# Allegro board SDHCalFEB20180110.brd (continued)
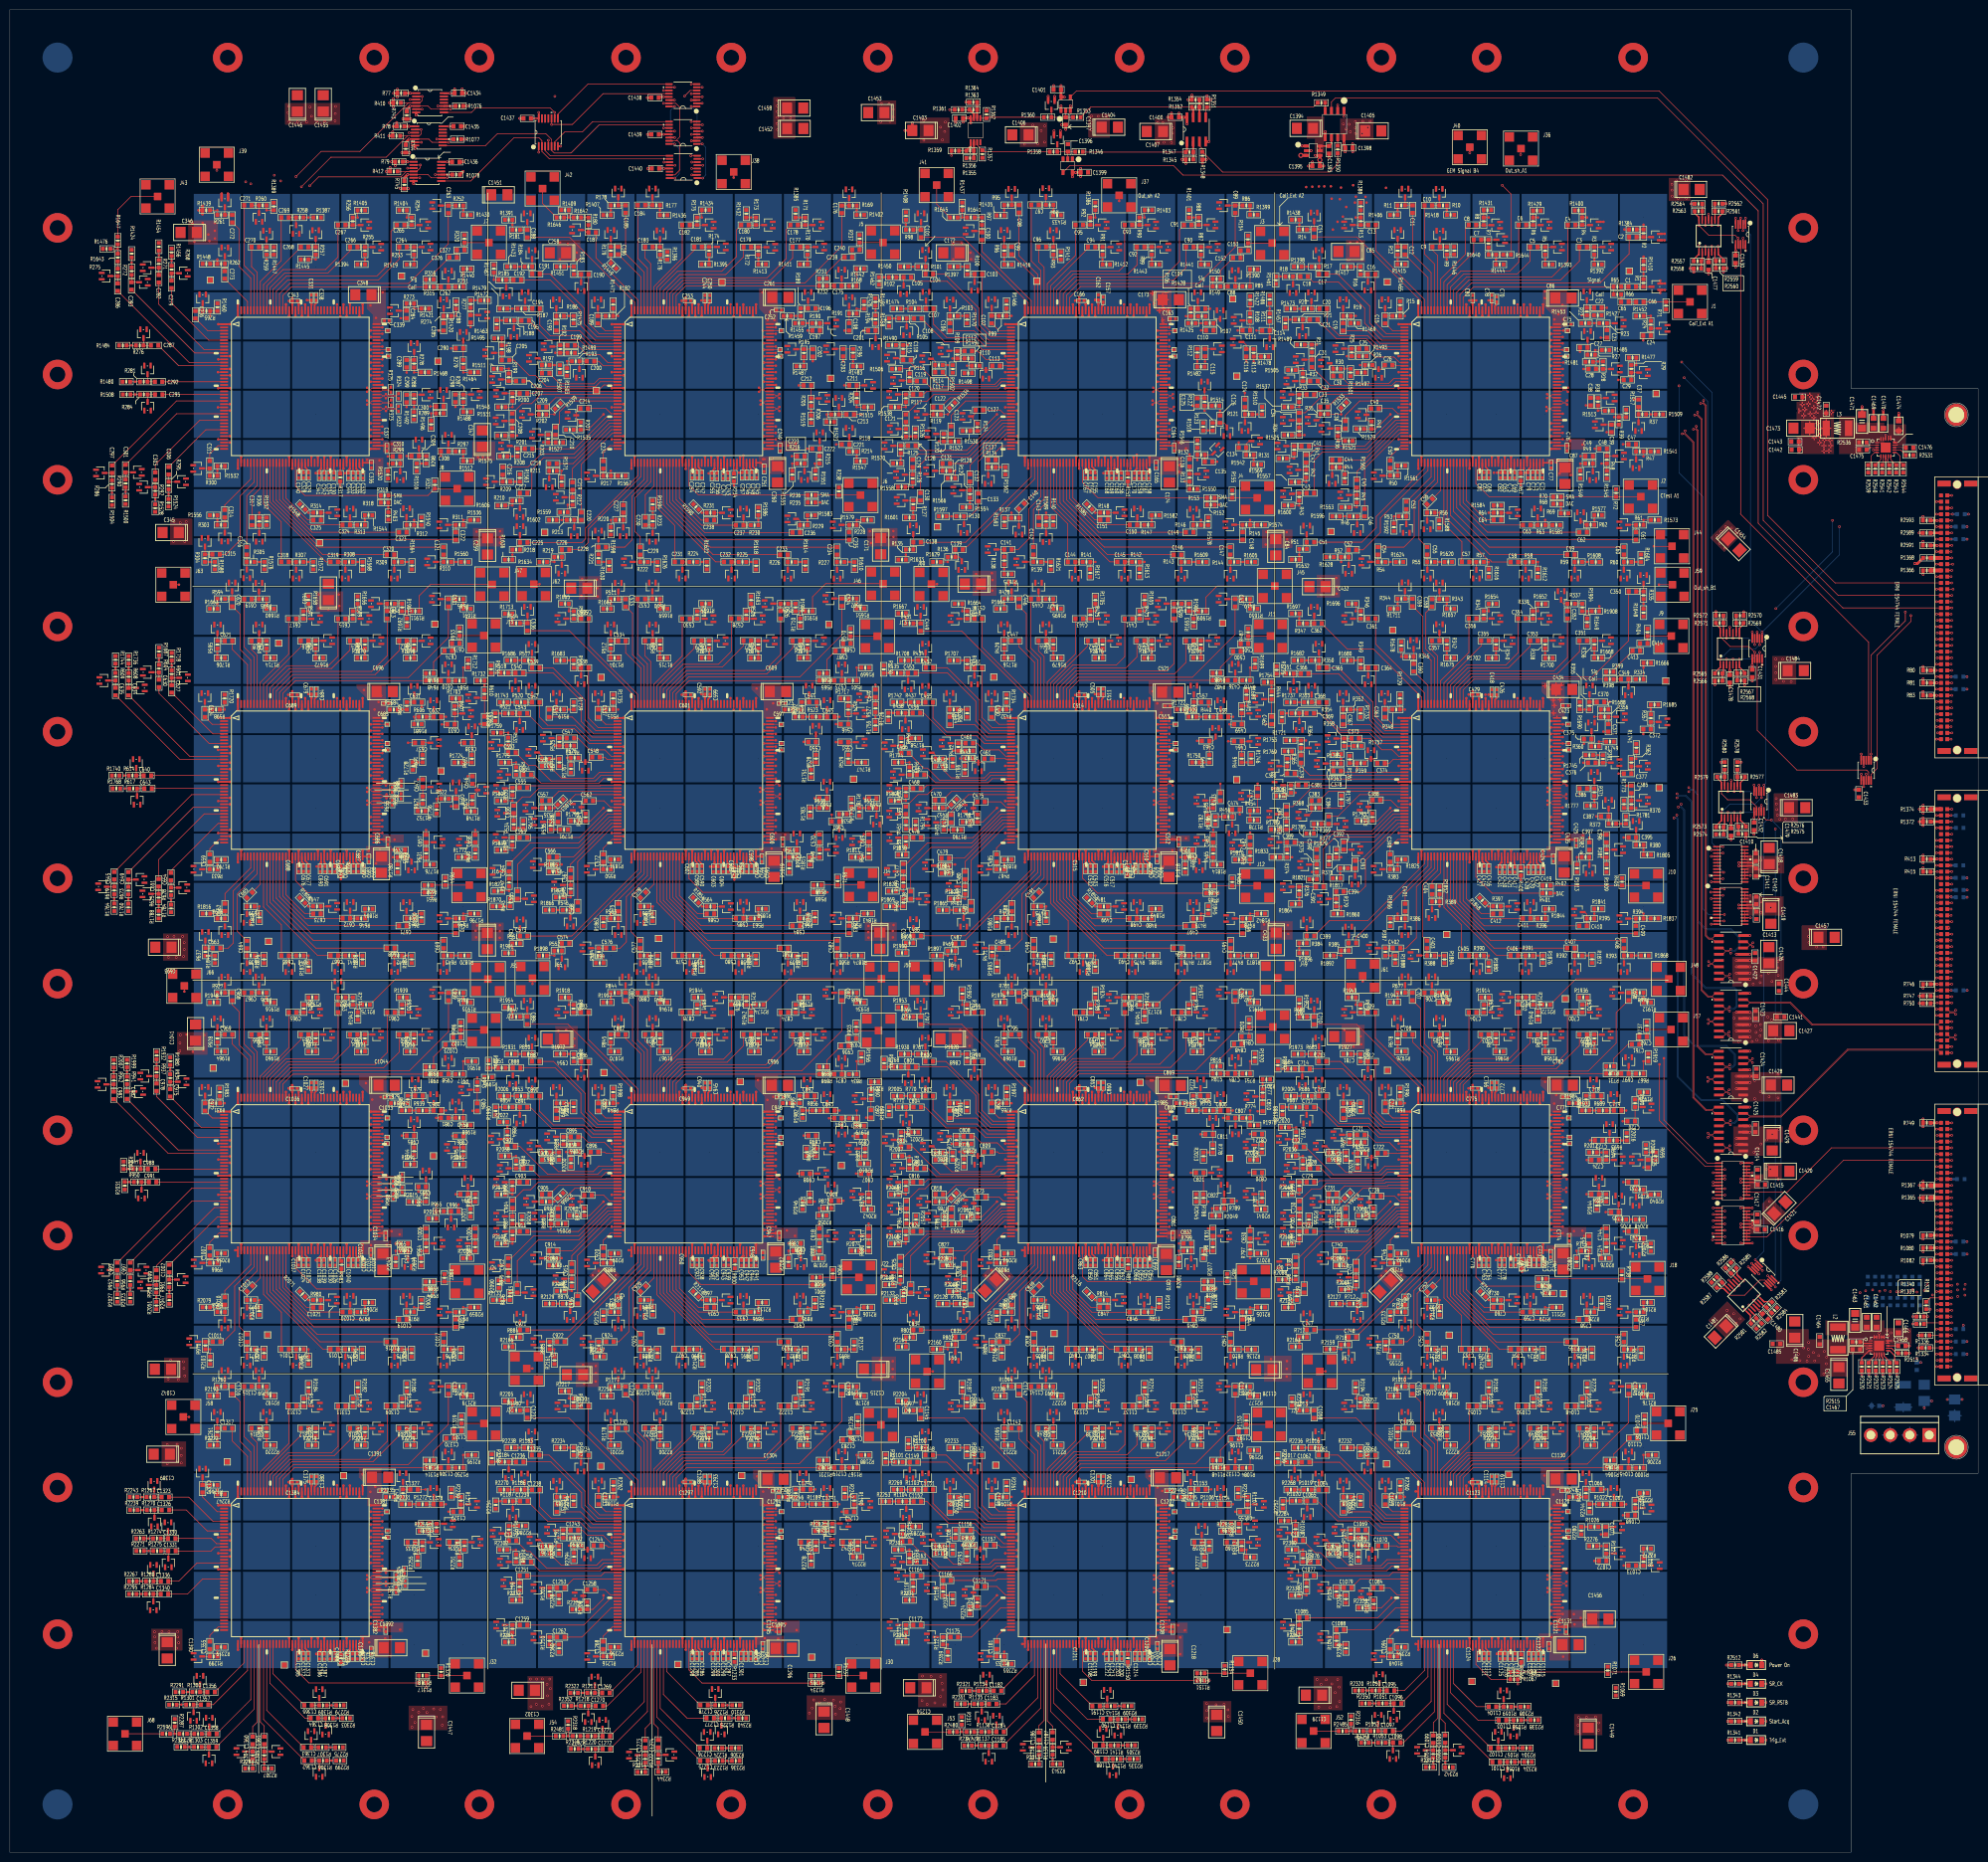
[diagram p0: board, top side]
## Routing (per net, layer and track width the routed paths; a pad name or vN(x,y) marks a point on that pad's centre or on a via; arc(x,y) is an arc through that point) (continued)
DOUT2B_D: length 362.1
  TOP w0.127: J33.A19 v4(394.75,121.54) ; U845.105 v1(313.41,60.74) ; U975.105 v1(155.75,60.74) ; U910.105 v1(235.76,60.74) ; U1040.105 v1(75.74,60.74)
  GND1 w0.127: v1(235.76,60.74) v2(236.5,60.74) ; v1(155.75,60.74) v2(156.49,60.74) ; v1(75.74,60.74) v2(76.48,60.74) ; v1(313.41,60.74) v2(314.15,60.74)
  SIG1 w0.127: v4(394.75,121.54) 394.17,120.95 378.61,120.95 354.56,96.9 354.56,86.67 328.63,60.74 v2(314.15,60.74)
  SIG2 w0.127: v2(314.15,60.74) 312.85,59.44 239.65,59.44 238.35,60.74 v2(236.5,60.74) 233.66,60.74 232.36,59.44 159.92,59.44 158.62,60.74 v2(156.49,60.74) 153.4,60.74 152.1,59.44 79.27,59.44 77.97,60.74 v2(76.48,60.74)
  BOTTOM w0.508: R1083.2 394.75,121.54 v4(394.75,121.54)
DOUT2B_E: length 2.4
  TOP w0.127: J33.B4 390.35,102.49 R1334.1
ENDREADOUT1_A: length 384.8
  TOP w0.127: J35.B20 v4(391.92,250.32) ; TP46.1 76.95,305.32 U260.112 v1(73.38,305.32)
  GND1 w0.127: v1(73.38,305.32) v2(74.12,305.32)
  SIG2 w0.127: v4(391.92,250.32) 386.38,250.32 355.35,281.36 355.35,300.38 331.7,324.03 78.28,324.03 70.36,316.1 70.36,307.61 72.64,305.32 v2(74.12,305.32)
ENDREADOUT1_B: length 350.9
  TOP w0.127: v4(394.75,231.27) J35.A5 ; v1(73.38,225.31) U520.112 76.78,225.31 TP79.1
  GND1 w0.127: v1(73.38,225.31) v2(72.64,225.31)
  SIG2 w0.127: v4(394.75,231.27) 394.14,231.88 368.55,231.88 364.82,235.61 328.07,235.61 318.77,244.91 79.35,244.91 70.28,235.84 70.28,226.69 71.67,225.31 v2(72.64,225.31)
ENDREADOUT1_C: length 361
  TOP w0.127: v4(391.92,186.57) J34.B20 ; TP125.1 76.73,145.3 U780.112 v1(73.38,145.3)
  GND1 w0.127: v1(73.38,145.3) v2(72.65,145.3)
  SIG2 w0.127: v2(72.65,145.3) 71.57,145.3 69.75,147.12 69.75,157.02 82.37,169.65 318.52,169.65 328.42,159.74 v2(337.82,159.74)
  SIG3 w0.127: v2(337.82,159.74) 347.37,159.74 351.28,163.65 369.01,163.65 v4(391.92,186.57)
ENDREADOUT1_D: length 373.6
  TOP w0.127: v1(73.38,65.29) U1040.112 76.86,65.29 TP169.1 ; J33.A33 v4(394.75,139.32)
  GND1 w0.127: v1(73.38,65.29) v2(72.65,65.29)
  SIG1 w0.127: v4(394.75,139.32) 394.12,138.68 383.7,138.68 355.55,110.53 355.54,110.53 355.27,110.26 355.27,110.25 337.37,92.35 v2(327.61,92.35)
  SIG2 w0.127: v2(327.61,92.35) 316.88,81.63 272.7,81.63 272.36,81.96 263.51,81.96 263.17,81.63 262.7,81.63 262.29,82.04 193.59,82.04 193.17,81.63 192.7,81.63 192.37,81.96 183.51,81.96 183.17,81.63 182.7,81.63 182.29,82.04 113.59,82.04 113.17,81.63 112.7,81.63 112.37,81.96 103.51,81.96 103.17,81.63 102.7,81.63 102.29,82.04 73.36,82.04 68.48,77.17 68.48,67.56 70.75,65.29 v2(72.65,65.29)
ENDREADOUT1_E: length 13.9
  TOP w0.127: R1339.1 v4(386.94,107.34) ; v4(394.75,116.46) J33.A15
  SIG2 w0.127: v4(386.94,107.34) 386.94,108 392.26,113.32 392.26,113.97 v4(394.75,116.46)
ENDREADOUT2_A: length 379.4
  TOP w0.127: U260.113 v1(75.74,305.97) ; J35.A19 v4(394.75,249.05)
  GND1 w0.127: v1(75.74,305.97) v2(75.01,305.97)
  SIG2 w0.127: v2(75.01,305.97) 73.3,305.97 71.45,307.82 71.45,315.09 77,320.64 178.72,320.64 178.9,320.45 258.53,320.45 258.87,320.79 330.75,320.79 354.28,297.26 354.28,280.82 385.44,249.66 394.14,249.66 v4(394.75,249.05)
ENDREADOUT2_B: length 344.6
  TOP w0.127: U520.113 v1(75.74,225.96) ; J35.B4 v4(391.92,230)
  GND1 w0.127: v1(75.74,225.96) v2(74.55,225.96)
  SIG2 w0.127: v2(74.55,225.96) 72.19,225.96 70.99,227.15 70.99,233.68 81.1,243.79 317.83,243.79 327.38,234.24 365.12,234.24 369.36,230 v4(391.92,230)
ENDREADOUT2_C: length 362.5
  TOP w0.127: U780.113 v1(75.74,145.95) ; v4(394.75,185.3) J34.A19
  GND1 w0.127: v1(75.74,145.95) v2(76.48,145.95)
  SIG2 w0.127: v2(76.48,145.95) 72.26,145.95 70.61,147.6 70.61,156.59 82.75,168.73 317.47,168.73 327.38,158.83 v2(336.88,158.83)
  SIG3 w0.127: v2(336.88,158.83) 347.73,158.83 350.93,162.03 368.63,162.03 391.31,184.71 394.17,184.71 v4(394.75,185.3)
ENDREADOUT2_D: length 367.2
  TOP w0.127: U1040.113 v1(75.74,65.94) ; v4(391.92,138.05) J33.B32
  GND1 w0.127: v1(75.74,65.94) v2(76.48,65.94)
  SIG1 w0.127: v2(326.9,90.32) 336.66,90.32 384.39,138.05 v4(391.92,138.05)
  SIG2 w0.127: v2(326.9,90.32) 317.32,80.75 73.89,80.75 69.49,76.35 69.49,67.39 70.94,65.94 v2(76.48,65.94)
ENDREADOUT2_E: length 10
  TOP w0.127: R1340.1 v4(386.94,108.84) ; J33.B14 392.7,115.19 v4(391.92,115.19)
  SIG2 w0.127: v4(391.92,115.19) 386.94,110.21 v4(386.94,108.84)
ESD_SIGNAL1_ASIC_A1: length 3.2
  TOP w0.127: U1.3 333.83,318.13 R1.2 C1.1
ESD_SIGNAL1_ASIC_A2: length 3
  TOP w0.127: U66.3 249.19,318.21 C88.1 250.66,318.2 R85.2
ESD_SIGNAL1_ASIC_A3: length 3.1
  TOP w0.127: U131.3 169.14,318.3 C175.1 169.15,318.29 R168.2
ESD_SIGNAL1_ASIC_A4: length 3
  TOP w0.127: R251.2 90.66,318.1 C262.1 89.18,318.1 U196.3
ESD_SIGNAL1_ASIC_B1: length 3.1
  TOP w0.127: R334.2 329.14,238.38 C349.1 329.13,236.86 U261.3
ESD_SIGNAL1_ASIC_B5: length 3.1
  TOP w0.127: R418.2 249.18,238.15 C436.1 249.17,239.72 U326.3
ESD_SIGNAL1_ASIC_B6: length 3
  TOP w0.127: U391.3 169.19,239.64 C523.1 169.19,238.1 R501.2
ESD_SIGNAL1_ASIC_B7: length 3.1
  TOP w0.127: R584.2 89.78,238.07 89.78,238.08 C610.1 89.18,238.71 89.18,238.72 U456.3
ESD_SIGNAL1_ASIC_C1: length 3.1
  TOP w0.127: U521.3 329.19,159.02 329.18,159.01 C697.1 329.78,158.22 329.78,158.22 R667.2
ESD_SIGNAL1_ASIC_C2: length 3.1
  TOP w0.127: U586.3 249.18,158.22 C784.1 250.66,158.22 R751.2
ESD_SIGNAL1_ASIC_C3: length 3
  TOP w0.127: U651.3 169.19,158.1 C871.1 170.68,158.09 R834.2
ESD_SIGNAL1_ASIC_C4: length 3
  TOP w0.127: U716.3 89.18,158.12 C958.1 89.18,158.12 R917.2
ESD_SIGNAL1_ASIC_D1: length 3
  TOP w0.127: U781.3 329.18,79.65 C1045.1 330.67,78.11 R1000.2
ESD_SIGNAL1_ASIC_D2: length 3
  TOP w0.127: U846.3 249.17,79.65 C1132.1 250.66,78.11 R1084.2
ESD_SIGNAL1_ASIC_D3: length 3.1
  TOP w0.127: R1167.2 169.2,78.15 C1219.1 169.19,79.68 U911.3
ESD_SIGNAL1_ASIC_D4: length 3
  TOP w0.127: R1250.2 89.78,78.13 89.78,78.13 C1306.1 89.18,78.77 89.18,78.77 U976.3
ESD_SIGNAL2_ASIC_A1: length 3
  TOP w0.127: C2.1 330.81,328.24 R2.2 333.76,328.24 U2.3
ESD_SIGNAL2_ASIC_A2: length 3
  TOP w0.127: R86.2 249.19,334.64 C89.1 247.66,334.64 U67.3
ESD_SIGNAL2_ASIC_A3: length 3.1
  TOP w0.127: U132.3 170.67,334.63 R169.2 C176.1
ESD_SIGNAL2_ASIC_A4: length 3
  TOP w0.127: R252.2 C263.1 87.66,334.62 U197.3
ESD_SIGNAL2_ASIC_B1: length 3.1
  TOP w0.127: C350.1 331.59,256.21 331.61,256.19 R335.2 332.21,257.01 332.21,257.01 U262.3
ESD_SIGNAL2_ASIC_B5: length 3.1
  TOP w0.127: R419.2 C437.1 248.51,254.66 248.51,254.66 U327.3
ESD_SIGNAL2_ASIC_B6: length 3.1
  TOP w0.127: R502.2 C524.1 167.62,254.76 U392.3
ESD_SIGNAL2_ASIC_B7: length 3.1
  TOP w0.127: R585.2 C611.1 88.38,254.66 88.38,254.66 U457.3
ESD_SIGNAL2_ASIC_C1: length 3.1
  TOP w0.127: U522.3 327.61,174.65 C698.1 R668.2
ESD_SIGNAL2_ASIC_C2: length 3.1
  TOP w0.127: U587.3 247.6,174.65 C785.1 R752.2
ESD_SIGNAL2_ASIC_C3: length 3.1
  TOP w0.127: U652.3 167.62,174.65 C872.1 R835.2
ESD_SIGNAL2_ASIC_C4: length 3
  TOP w0.127: R918.2 C959.1 87.66,174.62 U717.3
ESD_SIGNAL2_ASIC_D1: length 3
  TOP w0.127: U782.3 329.18,94.64 C1046.1 R1001.2
ESD_SIGNAL2_ASIC_D2: length 3.1
  TOP w0.127: R1085.2 250.66,94.64 C1133.1 247.63,94.64 U847.3
ESD_SIGNAL2_ASIC_D3: length 3
  TOP w0.127: R1168.2 C1220.1 167.67,94.64 U912.3
ESD_SIGNAL2_ASIC_D4: length 3
  TOP w0.127: R1251.2 C1307.1 87.63,94.64 U977.3
ESD_SIGNAL3_ASIC_A1: length 3.2
  TOP w0.127: C3.1 321.6,326.18 321.61,326.19 R3.2 323.09,326.19 323.11,326.2 U3.3
ESD_SIGNAL3_ASIC_A2: length 3.2
  TOP w0.127: U68.3 242.82,326.2 242.81,326.21 R87.2 241.61,326.21 241.6,326.2 C90.1
ESD_SIGNAL3_ASIC_A3: length 3.1
  TOP w0.127: C177.1 161.3,326.2 161.31,326.2 R170.2 162.8,326.2 162.81,326.21 U133.3
ESD_SIGNAL3_ASIC_A4: length 3.1
  TOP w0.127: C264.1 81.32,326.2 81.32,326.2 R253.2 82.79,326.2 82.8,326.21 U198.3
ESD_SIGNAL3_ASIC_B1: length 3.1
  TOP w0.127: U263.3 323.81,246.21 R336.2 320.7,246.21 C351.1
ESD_SIGNAL3_ASIC_B5: length 3.1
  TOP w0.127: U328.3 242.8,246.2 242.79,246.19 R420.2 241.29,246.19 241.29,246.18 C438.1
ESD_SIGNAL3_ASIC_B6: length 3.1
  TOP w0.127: U393.3 163.77,246.19 R503.2 161.31,246.19 161.3,246.18 C525.1
ESD_SIGNAL3_ASIC_B7: length 3.1
  TOP w0.127: C612.1 81.29,246.16 81.3,246.16 R586.2 82.79,246.16 82.8,246.17 U458.3
ESD_SIGNAL3_ASIC_C1: length 3.1
  TOP w0.127: C699.1 322.19,166.15 R669.2 323.76,166.15 U523.3
ESD_SIGNAL3_ASIC_C2: length 3.1
  TOP w0.127: U588.3 242.2,166.16 R753.2 240.7,166.15 C786.1
ESD_SIGNAL3_ASIC_C3: length 3.1
  TOP w0.127: C873.1 162.2,166.15 R836.2 162.22,166.16 U653.3
ESD_SIGNAL3_ASIC_C4: length 3.1
  TOP w0.127: U718.3 82.21,166.14 R919.2 80.7,166.15 C960.1
ESD_SIGNAL3_ASIC_D1: length 3.1
  TOP w0.127: U783.3 322.21,86.15 R1002.2 320.71,86.17 C1047.1
ESD_SIGNAL3_ASIC_D2: length 3.1
  TOP w0.127: C1134.1 240.71,86.17 R1086.2 243.73,86.17 U848.3
ESD_SIGNAL3_ASIC_D3: length 3
  TOP w0.127: C1221.1 160.71,86.17 R1169.2 163.72,86.17 U913.3
ESD_SIGNAL3_ASIC_D4: length 3
  TOP w0.127: C1308.1 80.7,86.17 R1252.2 82.21,86.15 U978.3
ESD_SIGNAL4_ASIC_A1: length 3
  TOP w0.127: U4.3 320.36,330.67 320.35,330.68 R4.2 318.96,330.68 318.95,330.67 C4.1
ESD_SIGNAL4_ASIC_A2: length 3.1
  TOP w0.127: C91.1 240.88,330.67 240.89,330.68 R88.2 242.36,330.68 242.37,330.7 U69.3
ESD_SIGNAL4_ASIC_A3: length 3
  TOP w0.127: U134.3 162.32,330.68 162.32,330.67 R171.2 160.85,330.67 160.85,330.67 C178.1
ESD_SIGNAL4_ASIC_A4: length 3.1
  TOP w0.127: U199.3 83.31,330.67 R254.2 80.24,330.67 C265.1
ESD_SIGNAL4_ASIC_B1: length 3.3
  TOP w0.127: U264.3 315.45,254.17 315.9,253.72 R337.2 316.73,252.23 C352.1
ESD_SIGNAL4_ASIC_B5: length 3
  TOP w0.127: C439.1 236.74,252.23 R421.2 235.21,253.72 U329.3
ESD_SIGNAL4_ASIC_B6: length 3
  TOP w0.127: U394.3 155.22,253.72 R504.2 156.73,252.23 C526.1
ESD_SIGNAL4_ASIC_B7: length 3
  TOP w0.127: C613.1 76.72,252.23 R587.2 75.19,253.72 U459.3
ESD_SIGNAL4_ASIC_C1: length 3.1
  TOP w0.127: U524.3 319.78,170.66 R670.2 318.27,170.68 C700.1
ESD_SIGNAL4_ASIC_C2: length 3.1
  TOP w0.127: U589.3 239.76,170.68 R754.2 238.26,170.68 C787.1
ESD_SIGNAL4_ASIC_C3: length 3.1
  TOP w0.127: U654.3 161.34,170.68 R837.2 158.28,170.68 C874.1
ESD_SIGNAL4_ASIC_C4: length 3.1
  TOP w0.127: C961.1 78.27,170.68 R920.2 81.3,170.68 U719.3
ESD_SIGNAL4_ASIC_D1: length 3.1
  TOP w0.127: U784.3 321.3,90.67 R1003.2 318.27,90.67 C1048.1
ESD_SIGNAL4_ASIC_D2: length 3.1
  TOP w0.127: C1135.1 238.26,90.67 R1087.2 241.29,90.67 U849.3
ESD_SIGNAL4_ASIC_D3: length 3.1
  TOP w0.127: C1222.1 158.28,90.67 R1170.2 161.31,90.67 U914.3
ESD_SIGNAL4_ASIC_D4: length 3
  TOP w0.127: C1309.1 78.27,90.67 R1253.2 81.27,90.67 U979.3
ESD_SIGNAL5_ASIC_A1: length 3.2
  TOP w0.127: C5.1 311.58,326.21 311.59,326.2 R5.2 312.78,326.2 312.79,326.2 U5.3
ESD_SIGNAL5_ASIC_A2: length 3.1
  TOP w0.127: C92.1 231.31,326.2 231.32,326.21 R89.2 232.8,326.21 232.81,326.22 U70.3
ESD_SIGNAL5_ASIC_A3: length 3.2
  TOP w0.127: C179.1 151.32,326.17 151.32,326.17 R172.2 152.79,326.17 152.81,326.16 U135.3
ESD_SIGNAL5_ASIC_A4: length 3.1
  TOP w0.127: U200.3 73.75,326.2 R255.2 70.69,326.2 C266.1
ESD_SIGNAL5_ASIC_B1: length 3.1
  TOP w0.127: U265.3 312.8,246.22 312.79,246.21 R338.2 311.29,246.21 311.29,246.21 C353.1
ESD_SIGNAL5_ASIC_B5: length 3.1
  TOP w0.127: U330.3 232.82,246.2 232.8,246.21 R422.2 231.31,246.21 231.31,246.21 C440.1
ESD_SIGNAL5_ASIC_B6: length 3.1
  TOP w0.127: C527.1 150.72,246.19 R505.2 153.78,246.19 153.8,246.17
ESD_SIGNAL5_ASIC_B7: length 3.1
  TOP w0.127: U460.3 72.8,246.2 72.78,246.19 R588.2 71.59,246.19 71.59,246.18 C614.1
ESD_SIGNAL5_ASIC_C1: length 3.1
  TOP w0.127: C701.1 312.19,166.15 R671.2 313.75,166.15 U525.3
ESD_SIGNAL5_ASIC_C2: length 3.1
  TOP w0.127: U590.3 232.22,166.19 R755.2 230.71,166.18 C788.1
ESD_SIGNAL5_ASIC_C3: length 3.1
  TOP w0.127: U655.3 153.73,166.18 R838.2 152.19,166.17 C875.1
ESD_SIGNAL5_ASIC_C4: length 3.1
  TOP w0.127: C962.1 70.69,166.15 R921.2 72.2,166.16 U720.3
ESD_SIGNAL5_ASIC_D1: length 3.1
  TOP w0.127: C1049.1 310.7,86.17 R1004.2 312.2,86.18 U785.3
ESD_SIGNAL5_ASIC_D2: length 3
  TOP w0.127: U850.3 232.2,86.15 R1088.2 230.71,86.16 C1136.1
ESD_SIGNAL5_ASIC_D3: length 3.1
  TOP w0.127: C1223.1 150.7,86.14 R1171.2 153.73,86.14 U915.3
ESD_SIGNAL5_ASIC_D4: length 3
  TOP w0.127: U980.3 72.22,86.13 R1254.2 70.72,86.14 C1310.1
ESD_SIGNAL6_ASIC_A1: length 3
  TOP w0.127: U6.3 310.36,330.67 310.35,330.67 R6.2 309.16,330.67 309.16,330.67 C6.1
ESD_SIGNAL6_ASIC_A2: length 3.1
  TOP w0.127: U71.3 230.31,330.67 230.29,330.68 R90.2 228.83,330.68 228.82,330.7 C93.1
ESD_SIGNAL6_ASIC_A3: length 3.2
  TOP w0.127: U136.3 152.34,330.68 152.34,330.67 R173.2 151.14,330.67 151.14,330.67 C180.1
ESD_SIGNAL6_ASIC_A4: length 3.1
  TOP w0.127: U201.3 71.32,330.67 R256.2 69.72,330.67 C267.1
ESD_SIGNAL6_ASIC_B1: length 3.1
  TOP w0.127: C354.1 308.83,250.68 308.84,250.66 R339.2 310.32,250.66 310.33,250.67 U266.3
ESD_SIGNAL6_ASIC_B5: length 3.1
  TOP w0.127: U331.3 229.75,250.67 R423.2 228.26,250.66 C441.1
ESD_SIGNAL6_ASIC_B6: length 3.1
  TOP w0.127: C528.1 149.12,250.68 149.14,250.66 R506.2 150.55,250.66 150.56,250.67 U396.3
ESD_SIGNAL6_ASIC_B7: length 3.1
  TOP w0.127: U461.3 70.35,250.67 70.35,250.66 R589.2 69.15,250.66 69.14,250.65 C615.1
ESD_SIGNAL6_ASIC_C1: length 3
  TOP w0.127: C702.1 306.75,173.73 R672.2 305.21,173.74 U526.3
ESD_SIGNAL6_ASIC_C2: length 3
  TOP w0.127: U591.3 225.2,173.71 R756.2 226.74,172.22 C789.1
ESD_SIGNAL6_ASIC_C3: length 3
  TOP w0.127: C876.1 146.73,172.22 R839.2 145.19,173.71 U656.3
ESD_SIGNAL6_ASIC_C4: length 3
  TOP w0.127: C963.1 66.74,172.22 R922.2 66.73,173.72 U721.3
ESD_SIGNAL6_ASIC_D1: length 3.1
  TOP w0.127: C1050.1 308.29,90.67 R1005.2 309.78,90.67 U786.3
ESD_SIGNAL6_ASIC_D2: length 3.1
  TOP w0.127: U851.3 231.31,90.67 R1089.2 229.76,90.68 C1137.1
ESD_SIGNAL6_ASIC_D3: length 3
  TOP w0.127: U916.3 151.28,90.67 R1172.2 149.75,90.66 C1224.1
ESD_SIGNAL6_ASIC_D4: length 3
  TOP w0.127: U981.3 69.78,90.67 R1255.2 68.29,90.67 C1311.1
ESD_SIGNAL7_ASIC_A1: length 3.1
  TOP w0.127: C7.1 300.68,327.67 R7.2 300.69,327.68 U7.3
ESD_SIGNAL7_ASIC_A2: length 3.1
  TOP w0.127: U72.3 222.8,326.2 222.79,326.21 R91.2 221.6,326.21 221.59,326.2 C94.1
ESD_SIGNAL7_ASIC_A3: length 3.1
  TOP w0.127: U137.3 142.8,326.23 142.79,326.22 R174.2 141.32,326.22 141.31,326.22 C181.1
ESD_SIGNAL7_ASIC_A4: length 3.2
  TOP w0.127: U202.3 62.18,326.79 62.2,326.77 R257.2 61.31,326.2 61.3,326.2 C268.1
ESD_SIGNAL7_ASIC_B1: length 3.1
  TOP w0.127: C355.1 301.61,246.21 301.61,246.21 R340.2 303.02,246.21 303.03,246.2 U267.3
ESD_SIGNAL7_ASIC_B5: length 3.1
  TOP w0.127: C442.1 221.3,246.18 221.3,246.19 R424.2 222.8,246.19 222.81,246.17 U332.3
ESD_SIGNAL7_ASIC_B6: length 3.1
  TOP w0.127: C529.1 140.67,246.19 R507.2 143.78,246.19 U397.3
ESD_SIGNAL7_ASIC_B7: length 3.1
  TOP w0.127: U462.3 63,246.2 62.99,246.19 R590.2 61.58,246.19 61.58,246.18 C616.1
ESD_SIGNAL7_ASIC_C1: length 3.1
  TOP w0.127: U527.3 303.75,166.18 R673.2 300.69,166.18 C703.1
ESD_SIGNAL7_ASIC_C2: length 3.1
  TOP w0.127: U592.3 223.74,166.15 R757.2 220.71,166.15 C790.1
ESD_SIGNAL7_ASIC_C3: length 3.1
  TOP w0.127: U657.3 143.73,166.15 R840.2 140.7,166.15 C877.1
ESD_SIGNAL7_ASIC_C4: length 3.1
  TOP w0.127: C964.1 60.71,166.18 R923.2 62.22,166.16 U722.3
ESD_SIGNAL7_ASIC_D1: length 3
  TOP w0.127: C1051.1 300.71,86.16 R1006.2 302.2,86.15 U787.3
ESD_SIGNAL7_ASIC_D2: length 3.1
  TOP w0.127: C1138.1 220.71,86.17 R1090.2 222.21,86.15 U852.3
ESD_SIGNAL7_ASIC_D3: length 3
  TOP w0.127: C1225.1 140.7,86.17 R1173.2 143.7,86.17 U917.3
ESD_SIGNAL7_ASIC_D4: length 3
  TOP w0.127: U982.3 63.72,86.14 R1256.2 60.71,86.14 C1312.1
ESD_SIGNAL8_ASIC_A1: length 3.1
  TOP w0.127: C8.1 299.09,330.68 299.1,330.67 R8.2 300.3,330.67 300.31,330.66 U8.3
ESD_SIGNAL8_ASIC_A2: length 3
  TOP w0.127: C95.1 219.1,330.7 219.12,330.68 R92.2 220.31,330.68 220.32,330.67 U73.3
ESD_SIGNAL8_ASIC_A3: length 3.1
  TOP w0.127: C182.1 138.85,330.67 138.85,330.67 R175.2 140.32,330.67 140.33,330.68 U138.3
ESD_SIGNAL8_ASIC_A4: length 3.1
  TOP w0.127: U203.3 58.21,331.41 58.21,331.41 R258.2 57.33,332.21 57.32,332.19 C269.1
ESD_SIGNAL8_ASIC_B1: length 3.1
  TOP w0.127: C356.1 299.11,250.7 299.12,250.69 R341.2 300.32,250.69 300.32,250.69 U268.3
ESD_SIGNAL8_ASIC_B5: length 3.1
  TOP w0.127: C443.1 219.1,250.65 219.11,250.66 R425.2 220.31,250.66 220.31,250.67 U333.3
ESD_SIGNAL8_ASIC_B6: length 3.1
  TOP w0.127: C530.1 139.14,250.65 139.15,250.66 R508.2 140.55,250.66 140.55,250.67 U398.3
ESD_SIGNAL8_ASIC_B7: length 3.1
  TOP w0.127: C617.1 59.11,250.65 59.12,250.66 R591.2 60.31,250.66 60.33,250.64 U463.3
ESD_SIGNAL8_ASIC_C1: length 3.1
  TOP w0.127: U528.3 299.75,170.68 R674.2 298.23,170.68 C704.1
ESD_SIGNAL8_ASIC_C2: length 3
  TOP w0.127: U593.3 221.31,170.68 R758.2 218.3,170.68 C791.1
ESD_SIGNAL8_ASIC_C3: length 3.1
  TOP w0.127: C878.1 138.26,170.68 R841.2 139.76,170.68 U658.3
ESD_SIGNAL8_ASIC_C4: length 3.1
  TOP w0.127: U723.3 59.77,170.68 R924.2 58.28,170.68 C965.1
ESD_SIGNAL8_ASIC_D1: length 3
  TOP w0.127: C1052.1 298.28,90.67 R1007.2 299.79,90.65 U788.3
ESD_SIGNAL8_ASIC_D2: length 3.1
  TOP w0.127: U853.3 219.77,90.67 R1091.2 218.27,90.67 C1139.1
ESD_SIGNAL8_ASIC_D3: length 3
  TOP w0.127: C1226.1 138.26,90.67 R1174.2 141.27,90.67 U918.3
ESD_SIGNAL8_ASIC_D4: length 3
  TOP w0.127: U983.3 59.79,90.65 R1257.2 58.28,90.67 C1313.1
ESD_SIGNAL9_ASIC_A1: length 3
  TOP w0.127: R9.2 291.39,326.22 291.39,326.22 C9.1 290.79,326.86 290.79,326.86 U9.3
ESD_SIGNAL9_ASIC_A2: length 3.2
  TOP w0.127: U74.3 212.2,326.79 212.21,326.78 R93.2 211.33,326.21 211.32,326.22 C96.1
ESD_SIGNAL9_ASIC_A3: length 3.1
  TOP w0.127: C183.1 131.61,326.2 131.61,326.2 R176.2 132.21,326.77 132.21,326.77 U139.3
ESD_SIGNAL9_ASIC_A4: length 3.1
  TOP w0.127: C270.1 51.6,326.2 51.6,326.2 R259.2 52.2,326.77 52.2,326.77 U204.3
ESD_SIGNAL9_ASIC_B1: length 3.1
  TOP w0.127: U269.3 290.71,246.85 290.7,246.84 C357.1 291.6,246.21 291.6,246.21 R342.2
ESD_SIGNAL9_ASIC_B5: length 3.1
  TOP w0.127: U334.3 210.7,246.85 210.69,246.84 C444.1 211.29,246.21 211.29,246.21 R426.2
ESD_SIGNAL9_ASIC_B6: length 3.1
  TOP w0.127: R509.2 131.31,246.19 131.31,246.18 C531.1 130.71,246.82 130.71,246.82 U399.3
ESD_SIGNAL9_ASIC_B7: length 3.1
  TOP w0.127: U464.3 50.7,246.79 50.7,246.79 C618.1 51.6,246.16 51.6,246.16 R592.2
ESD_SIGNAL9_ASIC_C1: length 3.1
  TOP w0.127: U529.3 290.71,166.17 ; 290.71,166.17 C705.1 ; 290.71,166.17 290.71,166.18 R675.2
ESD_SIGNAL9_ASIC_C2: length 3.1
  TOP w0.127: R759.2 212.19,166.17 C792.1 210.7,166.17 U594.3
ESD_SIGNAL9_ASIC_C3: length 3.1
  TOP w0.127: U659.3 130.71,166.17 C879.1 132.21,166.17 R842.2
ESD_SIGNAL9_ASIC_C4: length 3
  TOP w0.127: U724.3 52.2,166.15 R925.2 52.19,166.15 C966.1
ESD_SIGNAL9_ASIC_D1: length 3.1
  TOP w0.127: R1008.2 292.18,86.19 C1053.1 290.68,86.21 U789.3
ESD_SIGNAL9_ASIC_D2: length 3
  TOP w0.127: C1140.1 210.7,86.17 R1092.2 212.2,86.17 U854.3
ESD_SIGNAL9_ASIC_D3: length 3
  TOP w0.127: C1227.1 130.73,86.17 R1175.2 132.21,86.17 U919.3
ESD_SIGNAL9_ASIC_D4: length 3.1
  TOP w0.127: C1314.1 50.69,86.17 R1258.2 52.2,86.17 U984.3
ESD_SIGNAL10_ASIC_A1: length 3.1
  TOP w0.127: C10.1 290.09,334.64 290.1,334.65 R10.2 290.67,335.25 290.66,335.26 U10.3
ESD_SIGNAL10_ASIC_A2: length 3.1
  TOP w0.127: U75.3 210.68,335.35 210.69,335.34 R94.2 209.83,334.74 209.82,334.76 C97.1
ESD_SIGNAL10_ASIC_A3: length 3.1
  TOP w0.127: C184.1 130.09,334.71 130.1,334.7 R177.2 130.67,335.53 130.66,335.55 U140.3
ESD_SIGNAL10_ASIC_A4: length 3.1
  TOP w0.127: U205.3 50.67,334.07 50.66,334.07 R260.2 50.09,334.67 50.08,334.68 C271.1
ESD_SIGNAL10_ASIC_B1: length 3.1
  TOP w0.127: U270.3 290.71,255.27 290.69,255.26 R343.2 290.12,254.66 290.11,254.64 C358.1
ESD_SIGNAL10_ASIC_B5: length 3.1
  TOP w0.127: U335.3 209.17,255.3 209.17,255.3 C445.1 210.08,254.66 210.09,254.66 R427.2
ESD_SIGNAL10_ASIC_B6: length 3.1
  TOP w0.127: C532.1 129.78,254.66 129.79,254.66 R510.2 130.67,255.26 130.66,255.27 U400.3
ESD_SIGNAL10_ASIC_B7: length 3.1
  TOP w0.127: C619.1 49.77,254.64 49.78,254.65 R593.2 50.67,255.25 50.65,255.27 U465.3
ESD_SIGNAL10_ASIC_C1: length 3.1
  TOP w0.127: R676.2 290.66,174.65 C706.1 289.18,174.66 U530.3
ESD_SIGNAL10_ASIC_C2: length 3
  TOP w0.127: U595.3 210.7,174.66 R760.2 209.2,174.65 C793.1
ESD_SIGNAL10_ASIC_C3: length 3
  TOP w0.127: U660.3 130.66,174.66 R843.2 129.19,174.65 C880.1
ESD_SIGNAL10_ASIC_C4: length 3
  TOP w0.127: C967.1 49.18,174.65 R926.2 50.65,174.66 U725.3
ESD_SIGNAL10_ASIC_D1: length 3
  TOP w0.127: C1054.1 289.19,94.63 R1009.2 290.68,94.64 U790.3
ESD_SIGNAL10_ASIC_D2: length 3
  TOP w0.127: U855.3 210.7,94.65 R1093.2 209.2,94.64 C1141.1
ESD_SIGNAL10_ASIC_D3: length 3
  TOP w0.127: C1228.1 129.19,94.64 R1176.2 130.66,94.65 U920.3
ESD_SIGNAL10_ASIC_D4: length 3
  TOP w0.127: U985.3 50.68,94.65 R1259.2 49.18,94.64 C1315.1
ESD_SIGNAL11_ASIC_A1: length 3.2
  TOP w0.127: U11.3 283.73,335.27 283.72,335.26 R11.2 284.61,334.67 284.62,334.67 C11.1
ESD_SIGNAL11_ASIC_A2: length 3
  TOP w0.127: C98.1 204.31,334.72 204.3,334.73 R95.2 203.73,335.48 203.72,335.5 U76.3
ESD_SIGNAL11_ASIC_A3: length 3.1
  TOP w0.127: C185.1 R178.2 123.73,335.27 123.73,335.27 U141.3
ESD_SIGNAL11_ASIC_A4: length 3.1
  TOP w0.127: U206.3 43.72,333.32 43.72,333.31 R261.2 C272.1
ESD_SIGNAL11_ASIC_B1: length 3.1
  TOP w0.127: U271.3 283.72,255.31 283.73,255.31 R344.2 C359.1
ESD_SIGNAL11_ASIC_B5: length 3.1
  TOP w0.127: C446.1 R428.2 203.72,255.28 203.71,255.29 U336.3
ESD_SIGNAL11_ASIC_B6: length 3.1
  TOP w0.127: C533.1 R511.2 123.73,255.23 123.73,255.24 U401.3
ESD_SIGNAL11_ASIC_B7: length 3.1
  TOP w0.127: R594.2 C620.1 45.21,255.28 45.19,255.3 U466.3
ESD_SIGNAL11_ASIC_C1: length 3.1
  TOP w0.127: U531.3 283.72,174.66 R677.2 285.2,174.66 C707.1
ESD_SIGNAL11_ASIC_C2: length 3
  TOP w0.127: U596.3 203.71,174.66 R761.2 C794.1
ESD_SIGNAL11_ASIC_C3: length 3
  TOP w0.127: U661.3 125.2,174.67 C881.1 123.74,174.66 R844.2
ESD_SIGNAL11_ASIC_C4: length 3.1
  TOP w0.127: C968.1 R927.2 43.72,174.63 U726.3
ESD_SIGNAL11_ASIC_D1: length 3
  TOP w0.127: C1055.1 R1010.2 283.73,96.18 U791.3
ESD_SIGNAL11_ASIC_D2: length 3
  TOP w0.127: U856.3 203.71,94.65 R1094.2 C1142.1
ESD_SIGNAL11_ASIC_D3: length 3
  TOP w0.127: C1229.1 R1177.2 123.73,94.62 U921.3
ESD_SIGNAL11_ASIC_D4: length 3
  TOP w0.127: U986.3 43.72,94.65 R1260.2 C1316.1
ESD_SIGNAL12_ASIC_A1: length 3.2
  TOP w0.127: U12.3 282.2,326.79 282.2,326.79 R12.2 283.03,326.22 283.05,326.2 C12.1
ESD_SIGNAL12_ASIC_A2: length 3.2
  TOP w0.127: C99.1 R96.2 202.21,327.11 202.2,327.11 U77.3
ESD_SIGNAL12_ASIC_A3: length 3.2
  TOP w0.127: U142.3 122.2,326.8 122.2,326.79 R179.2 123.03,326.22 123.05,326.24 C186.1
ESD_SIGNAL12_ASIC_A4: length 3.1
  TOP w0.127: C273.1 43.72,321.31 R262.2 43.72,324.35 U207.3
ESD_SIGNAL12_ASIC_B1: length 3.1
  TOP w0.127: C360.1 285.47,242.07 285.45,242.09 R345.2 285.45,243.55 285.45,243.55 U272.3
ESD_SIGNAL12_ASIC_B5: length 3.1
  TOP w0.127: C447.1 203.7,246.21 R429.2 202.21,247.8 U337.3
ESD_SIGNAL12_ASIC_B6: length 3.1
  TOP w0.127: U402.3 122.2,246.74 122.2,246.73 R512.2 122.8,246.16 122.81,246.15 C534.1
ESD_SIGNAL12_ASIC_B7: length 3.1
  TOP w0.127: C621.1 43.12,246.15 43.1,246.16 R595.2 42.21,246.73 42.22,246.74 U467.3
ESD_SIGNAL12_ASIC_C1: length 3.1
  TOP w0.127: C708.1 282.23,166.16 R678.2 282.22,167.74 U532.3
ESD_SIGNAL12_ASIC_C2: length 3.1
  TOP w0.127: C795.1 202.22,166.16 R762.2 202.21,166.18 U597.3
ESD_SIGNAL12_ASIC_C3: length 3.1
  TOP w0.127: R845.2 122.21,166.16 C882.1 123.7,166.17 U662.3
ESD_SIGNAL12_ASIC_C4: length 3
  TOP w0.127: U727.3 42.22,166.15 R928.2 43.7,166.15 C969.1
ESD_SIGNAL12_ASIC_D1: length 3.1
  TOP w0.127: R1011.2 283.68,86.17 C1056.1 283.7,86.16 U792.3
ESD_SIGNAL12_ASIC_D2: length 3
  TOP w0.127: U857.3 202.21,87.7 R1095.2 202.22,86.15 C1143.1
ESD_SIGNAL12_ASIC_D3: length 3
  TOP w0.127: C1230.1 123.69,86.17 R1178.2 122.2,86.17 U922.3
ESD_SIGNAL12_ASIC_D4: length 3
  TOP w0.127: C1317.1 43.68,86.17 R1261.2 42.19,86.17 U987.3
ESD_SIGNAL13_ASIC_A1: length 3.2
  TOP w0.127: C13.1 275.64,330.69 275.63,330.68 R13.2 274.1,330.68 274.09,330.69 U13.3
ESD_SIGNAL13_ASIC_A2: length 3.2
  TOP w0.127: 197.67,329.19 R97.2 ; 197.67,329.19 C100.1 ; 197.67,329.19 197.25,329.19 196.96,329.48 U78.3
ESD_SIGNAL13_ASIC_A3: length 3.3
  TOP w0.127: R180.2 C187.1 117.26,329.17 116.76,329.67 U143.3
ESD_SIGNAL13_ASIC_B1: length 3.1
  TOP w0.127: U273.3 274.09,250.68 274.1,250.69 R346.2 275.3,250.69 275.3,250.69 C361.1
ESD_SIGNAL13_ASIC_B5: length 3.1
  TOP w0.127: C448.1 195.57,250.67 195.56,250.66 R430.2 193.83,250.66 193.81,250.65 U338.3
ESD_SIGNAL13_ASIC_B6: length 3.1
  TOP w0.127: U403.3 114.07,250.68 114.08,250.66 R513.2 115.58,250.66 115.58,250.67 C535.1
ESD_SIGNAL13_ASIC_C1: length 3.1
  TOP w0.127: C709.1 276.13,170.68 R679.2 273.09,170.68 U533.3
ESD_SIGNAL13_ASIC_C2: length 3.1
  TOP w0.127: U598.3 193.1,170.68 R763.2 196.13,170.68 C796.1
ESD_SIGNAL13_ASIC_C3: length 3.1
  TOP w0.127: U663.3 113.09,170.68 R846.2 116.12,170.68 C883.1
ESD_SIGNAL13_ASIC_D1: length 3.1
  TOP w0.127: U793.3 274.61,90.66 R1012.2 274.63,90.67 C1057.1
ESD_SIGNAL13_ASIC_D2: length 3.1
  TOP w0.127: U858.3 194.63,90.66 R1096.2 196.13,90.67 C1144.1